# KiCad board Auckland-LED-Train-Map.kicad_pcb (continued)
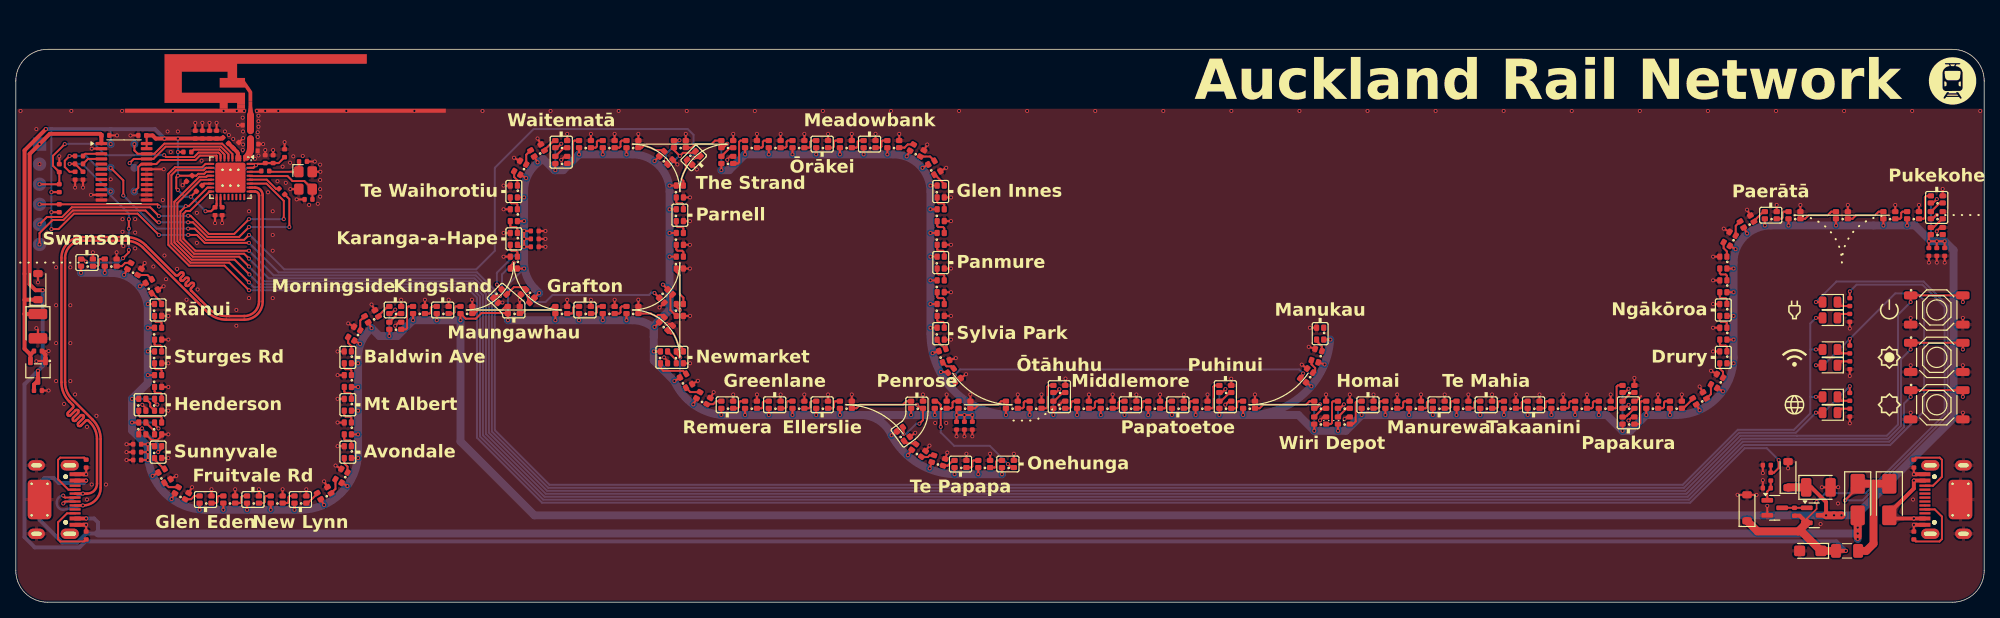
[diagram p0: board, top side]
## Library data of the parts (continued)
C35 = -: Datasheet: https://www.lcsc.com/datasheet/lcsc_datasheet_2304140030_Samsung-Electro-Mechanics-CL05A105KA5NQNC_C52923.pdf; Description: 25V 1uF X5R ±10% 0402 Multilayer Ceramic Capacitors MLCC - SMD/SMT ROHS; LCSC: C52923; Stock: 6607844; Price: 0.006USD; Process: SMT; Minimum Qty: 20; Attrition Qty: 10; Class: Basic Component; Category: Capacitors,Multilayer Ceramic Capacitors MLCC - SMD/SMT; Manufacturer: Samsung Electro-Mechanics; Part: CL05A105KA5NQNC; Voltage Rated: 25V; Tolerance: ±10%; Temperature Coefficient: X5R; ki_fp_filters: C_*
C36 C37 = -: Datasheet: https://www.lcsc.com/datasheet/lcsc_datasheet_2304140030_FH--Guangdong-Fenghua-Advanced-Tech-0402CG1R5C500NT_C1552.pdf; Description: 50V 1.5pF C0G 0402 Multilayer Ceramic Capacitors MLCC - SMD/SMT ROHS; LCSC: C1552; Stock: 87496; Price: 0.004USD; Process: SMT; Minimum Qty: 20; Attrition Qty: 10; Class: Preferred Component; Category: Capacitors,Multilayer Ceramic Capacitors MLCC - SMD/SMT; Manufacturer: FH(Guangdong Fenghua Advanced Tech); Part: 0402CG1R5C500NT; Voltage Rated: 50V; Temperature Coefficient: C0G; ki_fp_filters: C_*
D1 = -: Datasheet: https://wmsc.lcsc.com/wmsc/upload/file/pdf/v2/lcsc/2405091603_hongjiacheng-MMSZ5227B_C22395553.pdf; Description: Independent Type 3.42V~3.78V 500mW 3.6V SOD-123 Zener Diodes ROHS; LCSC: C22395553; Stock: 8463; Price: 0.021USD; Process: SMT; Minimum Qty: 15; Attrition Qty: 4; Class: Preferred Component; Category: Diodes,Zener Diodes; Manufacturer: hongjiacheng; ki_fp_filters: D_*
D2 = -: Datasheet: https://www.lcsc.com/datasheet/lcsc_datasheet_2304140030_Foshan-NationStar-Optoelectronics-NCD0805R1_C84256.pdf; Description: 25mA Colorless transparent lens 67mcd~195mcd -30°C~+85°C 615nm~630nm Individual diode Red 130° 65mW 1.6V~2.6V 0805 LED Indication - Discrete ROHS; LCSC: C84256; Price: 0.016USD; Class: Basic Component; Stock: 3045161; Category: Optoelectronics,Light Emitting Diodes (LED); Manufacturer: Foshan NationStar Optoelectronics; Process: SMT; Minimum Qty: 20; Attrition Qty: 6; Part: NCD0805R1; Operating Temperature: -30°C~+85°C; Viewing Angle: 130°; Forward Current: 25mA; Forward Voltage (VF): 1.6V~2.6V; Luminous Intensity: 67mcd~195mcd; Dominant Wavelength: 615nm~630nm; Power Dissipation: 65mW; Diode Configuration: Independent Diode; Lens Color: Colorless Transparent Lens; ki_fp_filters: D_*
D4 D5 = -: Datasheet: https://wmsc.lcsc.com/wmsc/upload/file/pdf/v2/lcsc/2405210914_hongjiacheng-MM1W5V6_C22435086.pdf; Description: Independent Type 5.32V~5.92V 1W 5.6V SOD-123 Zener Diodes ROHS; LCSC: C22435086; Stock: 7801; Price: 0.037USD; Process: SMT; Minimum Qty: 5; Attrition Qty: 4; Class: Preferred Component; Category: Diodes,Zener Diodes; Manufacturer: hongjiacheng; ki_fp_filters: D_*
D6 D7 = -: Datasheet: https://www.lcsc.com/datasheet/lcsc_datasheet_2407101107_MDD-Microdiode-Semiconductor-SS54_C22452.pdf; Description: 40V Independent Type 550mV@5A 5A SMA(DO-214AC) Schottky Diodes ROHS; LCSC: C22452; Stock: 815396; Price: 0.043USD; Process: SMT; Minimum Qty: 5; Attrition Qty: 4; Class: Basic Component; Category: Diodes,Schottky Barrier Diodes (SBD); Manufacturer: MDD（Microdiode Electronics）; Rectified Current: 5A; Forward Voltage (Vf@If): 550mV@5A; Reverse Voltage (Vr): 40V; Diode Configuration: Independent Type; Reverse Leakage Current (Ir): 1mA@40V; ki_fp_filters: D_*
D8 D9 D12 = -: Datasheet: https://www.lcsc.com/datasheet/lcsc_datasheet_1806151820_Hubei-KENTO-Elec-KT-0805G_C2297.pdf; Description: Emerald 0805 LED Indication - Discrete ROHS; LCSC: C2297; Stock: 769221; Price: 0.014USD; Process: SMT; Minimum Qty: 20; Attrition Qty: 6; Class: Basic Component; Category: Optoelectronics,Light Emitting Diodes (LED); Manufacturer: Hubei KENTO Elec; Part: KT-0805G; Emitted Color: Emerald; ki_fp_filters: D_*
D10 D11 = -: Datasheet: https://www.lcsc.com/datasheet/lcsc_datasheet_2304140030_Foshan-NationStar-Optoelectronics-NCD0805R1_C84256.pdf; Description: 25mA Colorless transparent lens 67mcd~195mcd -30°C~+85°C 615nm~630nm Individual diode Red 130° 65mW 1.6V~2.6V 0805 LED Indication - Discrete ROHS; LCSC: C84256; Stock: 3045161; Price: 0.016USD; Process: SMT; Minimum Qty: 20; Attrition Qty: 6; Class: Basic Component; Category: Optoelectronics,Light Emitting Diodes (LED); Manufacturer: Foshan NationStar Optoelectronics; Part: NCD0805R1; Operating Temperature: -30°C~+85°C; Viewing Angle: 130°; Forward Current: 25mA; Forward Voltage (VF): 1.6V~2.6V; Luminous Intensity: 67mcd~195mcd; Dominant Wavelength: 615nm~630nm; Power Dissipation: 65mW; Diode Configuration: Independent Diode; Lens Color: Colorless Transparent Lens; ki_fp_filters: D_*
D13 = -: Datasheet: https://wmsc.lcsc.com/wmsc/upload/file/pdf/v2/lcsc/2401261524_hongjiacheng-H3V3U10B_C20615782.pdf; Description: 5A 25V 125W 9V Bidirectional 3.3V DFN1006-2L ESD and Surge Protection (TVS/ESD) ROHS; LCSC: C20615782; Stock: 17210; Price: 0.030USD; Process: SMT; Minimum Qty: 20; Attrition Qty: 8; Class: Preferred Component; Category: TVS/Fuse/Board Level Protection,Electrostatic And Surge Protection (TVS/ESD); Manufacturer: hongjiacheng; Capacitance: 0.25pF - 0.3pF; ki_fp_filters: D_*
D100-D208 D300-D344 = -: Datasheet: https://atta.szlcsc.com/upload/public/pdf/source/20230111/5AD58278EBED6B6650A81C53A19BF314.pdf; Description: 1615 RGB LEDs(Built-in IC) ROHS; LCSC: C41413180; Manufacturer: XINGLIGHT
F1 = -: Description: 6V 2A 100A 4A 1206 Resettable Fuses ROHS; Manufacturer: BORN; Part: SMD1206-200/06N; LCSC: C6165195; Process: SMT; ki_fp_filters: *polyfuse* *PTC*
J1 = -: Description: Generic connector, single row, 01x06, script generated; ki_fp_filters: Connector*:*_1x??_*
L1 L3 = -: Datasheet: https://jlcpcb.com/api/file/downloadByFileSystemAccessId/8586175523819573248; Description: 800mA 2.7nH 120mΩ 0402 Inductors (SMD) ROHS; LCSC: C77108; Manufacturer: Murata Electronics; Part: LQG15HS2N7S02D; Process: SMT; ki_fp_filters: L_*
L5 = -: Datasheet: https://www.lcsc.com/datasheet/lcsc_datasheet_2310301641_Sunlord-SDCL1005C15NJTDF_C27143.pdf; Description: 8@100MHz ±5% 0402 Inductors (SMD); LCSC: C27143; Stock: 36806; Price: 0.007USD; Process: SMT; Minimum Qty: 20; Attrition Qty: 10; Class: Preferred Component; Category: Inductors/Coils/Transformers,Inductors (SMD); Manufacturer: Sunlord; Part: SDCL1005C15NJTDF; Inductance: 15nH; Q @ Freq: 8@100MHz; Frequency - Self Resonant: 2.3GHz; Tolerance: ±5%; Rated Current: 300mA; DC Resistance (DCR): 500mΩ; ki_fp_filters: L_*
LOGO1 = -: Description: OSHW Certification Mark, Stacked
Q1 = -: Datasheet: https://wmsc.lcsc.com/wmsc/upload/file/pdf/v2/lcsc/2407121622_hongjiacheng-HL3415A_C28646270.pdf; Description: 20V 5.6A 42mΩ@4.5V,5A 1.3W 620mV@250uA 1 Piece P-Channel SOT-23 MOSFETs ROHS; LCSC: C28646270; Stock: 17391; Price: 0.040USD; Process: SMT; Minimum Qty: 5; Attrition Qty: 4; Class: Preferred Component; Category: Transistors/Thyristors,MOSFETs; Manufacturer: hongjiacheng; ki_fp_filters: Q_*
Q2 = -: Datasheet: https://wmsc.lcsc.com/wmsc/upload/file/pdf/v2/lcsc/2312221203_hongjiacheng-MMBT3904_C7420353.pdf; Description: 40V 200mW 100@10mA,1.0V 200mA NPN SOT-23 Bipolar (BJT) ROHS; LCSC: C7420353; Stock: 874278; Price: 0.012USD; Process: SMT; Minimum Qty: 10; Attrition Qty: 5; Class: Preferred Component; Category: Triode/MOS Tube/Transistor,Bipolar Transistors - BJT; Manufacturer: hongjiacheng; Transition Frequency (fT): 300MHz; Operating Temperature: -55°C~+150°C; Collector Cut-Off Current (Icbo): 0.1uA; Transistor Type: NPN; DC Current Gain (hFE@Ic,Vce): 100@10mA,1.0V; Power Dissipation (Pd): null; Collector Current (Ic): null; Collector-Emitter Saturation Voltage (VCE(sat)@Ic,Ib): 0.3V@50mA,5.0mA; Collector-Emitter Breakdown Voltage (Vceo): null; ki_fp_filters: Q_*
R1-R3 = -: Datasheet: https://www.lcsc.com/datasheet/lcsc_datasheet_2411221126_UNI-ROYAL-Uniroyal-Elec-0402WGF1002TCE_C25744.pdf; Description: 62.5mW Thick Film Resistors 50V ±100ppm/°C ±1% 10kΩ 0402 Chip Resistor - Surface Mount ROHS; LCSC: C25744; Price: 0.004USD; Class: Basic Component; Stock: 14335141; Category: Resistors,Chip Resistor - Surface Mount; Manufacturer: UNI-ROYAL(Uniroyal Elec); Power(Watts): 62.5mW; Type: Thick Film Resistors; Overload Voltage (Max): 50V; Operating Temperature Range: -55°C~+155°C; Tolerance: ±1%; Temperature Coefficient: ±100ppm/°C; Process: SMT; Minimum Qty: 5; Attrition Qty: 0; Part: 0402WGF1002TCE; ki_fp_filters: R_*
R4 R12 = -: Datasheet: https://www.lcsc.com/datasheet/lcsc_datasheet_2411221126_UNI-ROYAL-Uniroyal-Elec-0402WGF1002TCE_C25744.pdf; Description: 62.5mW Thick Film Resistors 50V ±100ppm/°C ±1% 10kΩ 0402 Chip Resistor - Surface Mount ROHS; LCSC: C25744; Price: 0.004USD; Class: Basic Component; Stock: 18633144; Category: Resistors,Chip Resistor - Surface Mount; Manufacturer: UNI-ROYAL(Uniroyal Elec); Power(Watts): 62.5mW; Type: Thick Film Resistors; Overload Voltage (Max): 50V; Operating Temperature Range: -55°C~+155°C; Tolerance: ±1%; Temperature Coefficient: ±100ppm/°C; Process: SMT; Minimum Qty: 5; Attrition Qty: 10; Part: 0402WGF1002TCE; ki_fp_filters: R_*
R7 = -: Datasheet: https://www.lcsc.com/datasheet/lcsc_datasheet_2205311900_UNI-ROYAL-Uniroyal-Elec-0402WGF5100TCE_C25123.pdf; Description: 62.5mW Thick Film Resistors 50V ±100ppm/°C ±1% 510Ω 0402 Chip Resistor - Surface Mount ROHS; LCSC: C25123; Stock: 910291; Price: 0.004USD; Process: SMT; Minimum Qty: 20; Attrition Qty: 10; Class: Basic Component; Category: Resistors,Chip Resistor - Surface Mount; Manufacturer: UNI-ROYAL(Uniroyal Elec); Part: 0402WGF5100TCE; Power(Watts): 62.5mW; Type: Thick Film Resistors; Overload Voltage (Max): 50V; Operating Temperature Range: -55°C~+155°C; Tolerance: ±1%; Temperature Coefficient: ±100ppm/°C; ki_fp_filters: R_*
R8 R21 = -: Datasheet: https://www.lcsc.com/datasheet/lcsc_datasheet_2411221126_UNI-ROYAL-Uniroyal-Elec-0402WGF1002TCE_C25744.pdf; Description: 62.5mW Thick Film Resistors 50V ±100ppm/°C ±1% 10kΩ 0402 Chip Resistor - Surface Mount ROHS; LCSC: C25744; Stock: 18633144; Price: 0.004USD; Process: SMT; Minimum Qty: 5; Attrition Qty: 10; Class: Basic Component; Category: Resistors,Chip Resistor - Surface Mount; Manufacturer: UNI-ROYAL(Uniroyal Elec); Part: 0402WGF1002TCE; Power(Watts): 62.5mW; Type: Thick Film Resistors; Overload Voltage (Max): 50V; Operating Temperature Range: -55°C~+155°C; Tolerance: ±1%; Temperature Coefficient: ±100ppm/°C; ki_fp_filters: R_*
R9 R22 R23 = -: Datasheet: https://www.lcsc.com/datasheet/lcsc_datasheet_2206010100_UNI-ROYAL-Uniroyal-Elec-0402WGF1003TCE_C25741.pdf; Description: 62.5mW Thick Film Resistors 50V ±100ppm/°C ±1% 100kΩ 0402 Chip Resistor - Surface Mount ROHS; LCSC: C25741; Stock: 4111720; Price: 0.004USD; Process: SMT; Minimum Qty: 20; Attrition Qty: 10; Class: Basic Component; Category: Resistors,Chip Resistor - Surface Mount; Manufacturer: UNI-ROYAL(Uniroyal Elec); Part: 0402WGF1003TCE; Power(Watts): 62.5mW; Type: Thick Film Resistors; Overload Voltage (Max): 50V; Operating Temperature Range: -55°C~+155°C; Tolerance: ±1%; Temperature Coefficient: ±100ppm/°C; ki_fp_filters: R_*
R10 R15 = -: Datasheet: https://www.lcsc.com/datasheet/lcsc_datasheet_2205311900_UNI-ROYAL-Uniroyal-Elec-0402WGF1000TCE_C25076.pdf; Description: 62.5mW Thick Film Resistors 50V ±1% ±200ppm/°C 100Ω 0402 Chip Resistor - Surface Mount ROHS; LCSC: C25076; Stock: 3549339; Price: 0.004USD; Process: SMT; Minimum Qty: 20; Attrition Qty: 10; Class: Basic Component; Category: Resistors,Chip Resistor - Surface Mount; Manufacturer: UNI-ROYAL(Uniroyal Elec); Part: 0402WGF1000TCE; Power(Watts): 62.5mW; Type: Thick Film Resistors; Overload Voltage (Max): 50V; Operating Temperature Range: -55°C~+155°C; Tolerance: ±1%; Temperature Coefficient: ±200ppm/°C; ki_fp_filters: R_*
R13 R14 R19 R20 = -: Datasheet: https://www.lcsc.com/datasheet/lcsc_datasheet_2206010045_UNI-ROYAL-Uniroyal-Elec-0402WGF5101TCE_C25905.pdf; Description: 62.5mW Thick Film Resistors 50V ±100ppm/°C ±1% 5.1kΩ 0402 Chip Resistor - Surface Mount ROHS; LCSC: C25905; Price: 0.004USD; Class: Basic Component; Stock: 3549665; Category: Resistors,Chip Resistor - Surface Mount; Manufacturer: UNI-ROYAL(Uniroyal Elec); Power(Watts): 62.5mW; Type: Thick Film Resistors; Overload Voltage (Max): 50V; Operating Temperature Range: -55°C~+155°C; Tolerance: ±1%; Temperature Coefficient: ±100ppm/°C; Process: SMT; Minimum Qty: 20; Attrition Qty: 10; Part: 0402WGF5101TCE; ki_fp_filters: R_*
R16 R24 R25 = -: Datasheet: https://www.lcsc.com/datasheet/lcsc_datasheet_2206010100_UNI-ROYAL-Uniroyal-Elec-0402WGF1003TCE_C25741.pdf; Description: 62.5mW Thick Film Resistors 50V ±100ppm/°C ±1% 100kΩ 0402 Chip Resistor - Surface Mount ROHS; LCSC: C25741; Price: 0.004USD; Class: Basic Component; Stock: 6150463; Category: Resistors,Chip Resistor - Surface Mount; Manufacturer: UNI-ROYAL(Uniroyal Elec); Power(Watts): 62.5mW; Type: Thick Film Resistors; Overload Voltage (Max): 50V; Operating Temperature Range: -55°C~+155°C; Tolerance: ±1%; Temperature Coefficient: ±100ppm/°C; Process: SMT; Minimum Qty: 20; Attrition Qty: 10; Part: 0402WGF1003TCE; ki_fp_filters: R_*
R17 = -: Datasheet: https://www.lcsc.com/datasheet/lcsc_datasheet_2411221126_UNI-ROYAL-Uniroyal-Elec-0402WGF1002TCE_C25744.pdf; Description: 62.5mW Thick Film Resistors 50V ±100ppm/°C ±1% 10kΩ 0402 Chip Resistor - Surface Mount ROHS; LCSC: C25744; Stock: 14335141; Price: 0.004USD; Process: SMT; Minimum Qty: 5; Attrition Qty: 0; Class: Basic Component; Category: Resistors,Chip Resistor - Surface Mount; Manufacturer: UNI-ROYAL(Uniroyal Elec); Part: 0402WGF1002TCE; Power(Watts): 62.5mW; Type: Thick Film Resistors; Overload Voltage (Max): 50V; Operating Temperature Range: -55°C~+155°C; Tolerance: ±1%; Temperature Coefficient: ±100ppm/°C; ki_fp_filters: R_*
R18 = -: Datasheet: https://www.lcsc.com/datasheet/lcsc_datasheet_2205311900_UNI-ROYAL-Uniroyal-Elec-0402WGF5100TCE_C25123.pdf; Description: 62.5mW Thick Film Resistors 50V ±100ppm/°C ±1% 510Ω 0402 Chip Resistor - Surface Mount ROHS; LCSC: C25123; Stock: 1084943; Price: 0.004USD; Process: SMT; Minimum Qty: 20; Attrition Qty: 12; Class: Basic Component; Category: Resistors,Chip Resistor - Surface Mount; Manufacturer: UNI-ROYAL(Uniroyal Elec); Part: 0402WGF5100TCE; Power(Watts): 62.5mW; Type: Thick Film Resistors; Overload Voltage (Max): 50V; Operating Temperature Range: -55°C~+155°C; Tolerance: ±1%; Temperature Coefficient: ±100ppm/°C; ki_fp_filters: R_*
S1-S3 = -: Datasheet: https://www.lcsc.com/datasheet/lcsc_datasheet_2304140030_XKB-Connection-TS-1187A-B-A-B_C318884.pdf; Description: None Without 50mA 5.1mm 100000 Times 160gf 12V 5.1mm 1.5mm Round Button Standing paste SPST SMD Tactile Switches ROHS; LCSC: C318884; Stock: 371396; Price: 0.025USD; Process: SMT; Minimum Qty: 10; Attrition Qty: 5; Class: Basic Component; Category: Switches,Tactile Switches; Manufacturer: XKB Connectivity; Part: TS-1187A-B-A-B; Switch Length: 5.1mm; Voltage Rating (Dc): 12V; With Lamp: No; Operating Force: 160gf; Actuator/Cap Color: Golden; Mechanical Life: 100000 Times; Strike Gundam: NO; Circuit: SPST; Switch Height: 1.5mm; Actuator Style: Round Button; Switch Width: 5.1mm; Contact Current: 50mA; Operating Temperature: -30°C~+85°C; Mounting Style: Brick nogging
TP2 TP3 TP8 TP9 TP13 TP15 = -: Description: test point; ki_fp_filters: Pin* Test*
U1 = -: Datasheet: https://www.lcsc.com/datasheet/lcsc_datasheet_2304140030_Torex-Semicon-XC6206P332MR-G_C5446.pdf; Description: 200mA Fixed 3.3V Positive electrode 6V SOT-23-3L Voltage Regulators - Linear, Low Drop Out (LDO) Regulators ROHS; LCSC: C5446; Stock: 368376; Price: 0.093USD; Process: SMT; Minimum Qty: 5; Attrition Qty: 2; Class: Basic Component; Category: Power Management ICs,Linear Voltage Regulators (LDO); Manufacturer: Torex Semicon; Part: XC6206P332MR-G; Number Of Outputs: 1; Output Voltage: 3.3V; Dropout Voltage: 680mV@(100mA); Output Current: 200mA; Output Type: Fixed; Maximum Input Voltage: 6V; Output Polarity: Positive electrode; Feature: Low ESR;Overcurrent Protection(OCP)
U2 = -: Datasheet: https://www.espressif.com/sites/default/files/documentation/esp32-c3_datasheet_en.pdf; Description: RF Module, ESP32 SoC, RISC-V, WiFi 802.11b/n/g, Bluetooth LE 5, QFN32; LCSC: C2858491; Manufacturer: Espressif Systems; Process: SMT; ki_fp_filters: QFN*1EP*5x5mm*P0.5mm*EP3.7x3.7mm*
U3 = -: Datasheet: https://www.lcsc.com/datasheet/lcsc_datasheet_1809192324_Texas-Instruments-SN74LVC4245APWR_C7859.pdf; Description: 2.7V~3.6V 1 8 4.5V~5.5V TSSOP-24 Translators, Level Shifters ROHS; LCSC: C7859; Stock: 62411; Price: 0.196USD; Process: SMT; Minimum Qty: 1; Attrition Qty: 0; Class: Preferred Component; Category: Logic ICs,Receivers & Transceivers; Manufacturer: Texas Instruments
U4 U5 = -: Datasheet: https://atta.szlcsc.com/upload/public/pdf/source/20220920/0EF8F885FCCEA71F60E9E85152155021.pdf; Description: 3A 1 Horizontal attachment 16P Female -25℃~+85℃ Type-C SMD USB Connectors ROHS; LCSC: C2927039; Manufacturer: DEALON; Part: USB-TYPE-C-019; Process: SMT
X1 = -: Datasheet: https://www.lcsc.com/datasheet/lcsc_datasheet_2403291504_YXC-Crystal-Oscillators-X322540MPB4SI_C9010.pdf; Description: 40MHz Surface Mount Crystal 15pF ±10ppm ±20ppm SMD3225-4P Crystals ROHS; LCSC: C9010; Part: X322540MPB4SI; Manufacturer: YXC Crystal Oscillators; Process: SMT

## Footprints (pads in the part's own frame, mm; a bottom-side part is the same pattern mirrored in y, then rotated)
C_0402
  rrect 0.56x0.62 smd: 1(-0.5,0) 2(0.5,0)
C_CASE-A-3216-18(mm)
  rrect 1.4x1.35 smd: 1(-1.35,0) 2(1.35,0)
C_CASE-B-3528-21(mm)
  rrect 1.32x2.35 smd: 1(-1.54,0) 2(1.54,0)
D_0805
  rrect 0.97x1.4 smd: 1(-0.94,0) 2(0.94,0)
D_DFN1006-2L
  rect 0.5x0.6 smd: 1(-0.4,0) 2(0.4,0)
D_SMA
  rrect 2.5x1.8 smd: 1(-2,0) 2(2,0)
D_SOD-123
  rrect 0.9x1.2 smd: 1(-1.65,0) 2(1.65,0)
Fuse_1206_3216Metric
  rrect 1.25x1.75 smd: 1(-1.4,0) 2(1.4,0)
Inverted_F_Antenna_2.4Ghz_1.0mmPCB_TI_CC2430DB.pretty
  rect 0.46x1.41 smd: 1(10.86,-6.705)
  rect 15.18x0.5 smd: 2(2.59,-7.16)
  rect 1x0.5 smd: 2(9.68,-6.66)
  rect 24.04x0.5 smd: 2(23.56,-7.16)
L_0402
  rrect 0.56x0.62 smd: 1(-0.5,0) 2(0.5,0)
LED-SMD_4P-L1.6-W1.5_XL-1615RGBC-WS2812B
  rrect 0.8x0.65 smd: 1(-0.75,0.45) 2(0.75,0.45) 3(-0.75,-0.45) 4(0.75,-0.45)
OSC-SMD_4P-L3.2-W2.5-BL_SIT8008BI
  rrect 1.4x1.2 smd: 1(-1.1,-0.85) 2(1.1,-0.85) 3(1.1,0.85) 4(-1.1,0.85)
Prog Connector
  rect 1.7x1.7 smd far side: 1(0,0)
  round 1.7 smd far side: 2(0,-2.54) 3(0,-5.08) 4(0,-7.62) 5(0,-10.16) 6(0,-12.7)
Q_SOT-23
  rrect 1.48x0.6 smd: 1(-0.94,0.95) 2(-0.94,-0.95) 3(0.94,0)
QFN-32-1EP_5x5mm_P0.5mm_EP3.7x3.7mm_ThermalVias
  custom 0.687x0.687 smd: (-1.43,1.43) (-1.43,-1.43) (1.43,1.43) (1.43,-1.43)
  custom 0.687x0.807 smd: (-1.43,0.5) (-1.43,-0.5) (1.43,0.5) (1.43,-0.5)
  custom 0.807x0.687 smd: (-0.5,1.43) (-0.5,-1.43) (0.5,1.43) (0.5,-1.43)
  rrect 0.81x0.81 smd: (-0.5,0.5) (-0.5,-0.5) (0.5,0.5) (0.5,-0.5)
  rrect 0.8x0.25 smd: 1(-2.45,1.75) 2(-2.45,1.25) 3(-2.45,0.75) 4(-2.45,0.25) 5(-2.45,-0.25) 6(-2.45,-0.75) 7(-2.45,-1.25) 8(-2.45,-1.75) 17(2.45,-1.75) 18(2.45,-1.25) 19(2.45,-0.75) 20(2.45,-0.25) 21(2.45,0.25) 22(2.45,0.75) 23(2.45,1.25) 24(2.45,1.75)
  rrect 0.25x0.8 smd: 9(-1.75,-2.45) 10(-1.25,-2.45) 11(-0.75,-2.45) 12(-0.25,-2.45) 13(0.25,-2.45) 14(0.75,-2.45) 15(1.25,-2.45) 16(1.75,-2.45) 25(1.75,2.45) 26(1.25,2.45) 27(0.75,2.45) 28(0.25,2.45) 29(-0.25,2.45) 30(-0.75,2.45) 31(-1.25,2.45) 32(-1.75,2.45)
  round 0.5 hole 0.3: 33(-1,1) 33(-1,0) 33(-1,-1) 33(1,1) 33(1,0) 33(1,-1)
  rrect 3.8x3.8 smd: 33(0,0)
R_0402
  rrect 0.56x0.62 smd: 1(-0.5,0) 2(0.5,0)
SOT-23-3_L2.9-W1.6-P1.90-LS2.8-BR
  rrect 1.07x0.6 smd: 1(1.24,-0.95) 2(1.24,0.95) 3(-1.24,0)
SW-SMD_4P-L5.1-W5.1-P3.70-LS6.5-TL-2
  rrect 1.7x1 smd: 1(-3.3,1.85) 2(3.3,1.85) 3(-3.3,-1.85) 4(3.3,-1.85)
TestPoint_Pad_D1.0mm
  round 1 smd: 1(0,0)
TSSOP-24_4.4x7.8mm_P0.65mm
  rrect 1.475x0.4 smd: 1(-2.862,3.575) 2(-2.862,2.925) 3(-2.862,2.275) 4(-2.862,1.625) 5(-2.862,0.975) 6(-2.862,0.325) 7(-2.862,-0.325) 8(-2.862,-0.975) 9(-2.862,-1.625) 10(-2.862,-2.275) 11(-2.862,-2.925) 12(-2.862,-3.575) 13(2.862,-3.575) 14(2.862,-2.925) 15(2.862,-2.275) 16(2.862,-1.625) 17(2.862,-0.975) 18(2.862,-0.325) 19(2.862,0.325) 20(2.862,0.975) 21(2.862,1.625) 22(2.862,2.275) 23(2.862,2.925) 24(2.862,3.575)
TYPE-C-SMD_HX-TYPE-C-16PIN
  round 0.6 hole 0.6 unplated: (-2.89,1.3) (2.89,1.3)
  rect 0.3x1.4 smd: A5(-1.25,2.5) A6(-0.25,2.5) A7(0.25,2.5) A8(1.25,2.5) B5(1.75,2.5) B6(0.75,2.5) B7(-0.75,2.5) B8(-1.75,2.5)
  rect 0.5x1.4 smd: A9B4(2.4,2.5) A12B1(3.2,2.5) B9A4(-2.4,2.5) B12A1(-3.2,2.5)
  oval 1.3x2.3 hole 0.5x1.6: S1(-4.33,1.82) S1(4.33,1.82)
  oval 1.3x2.1 hole 0.5x1.3: S1(-4.33,-2.38) S1(4.33,-2.38)
  round 0.5 hole 0.3: S1(-2,-1) S1(-2,-3) S1(2,-1) S1(2,-3)
  rrect 5x3 smd: S1(0,-2)

## Nets
+3V3: C3.1 C4.1 C5.1 C6.1 C8.1 C9.1 C10.1 C11.1 C12.1 C13.1 C22.1 C25.1 D1.1 D8.2 D10.2 D11.2 L3.1 R1.1 R2.1 R3.1 R4.1 TP13.1 U1.2 U2.11 U2.17 U2.31 U2.32 U3.23 U3.24
+5V: C15.1 C26.1 C27.1 C28.1 C29.1 C30.1 C31.1 C38.1 C39.1 C40.1 C41.1 C42.1 C43.1 D4.1 D100.2 D101.2 D102.2 D103.2 D104.2 D105.2 D106.2 D107.2 D108.2 D109.2 D110.2 D111.2 D112.2 D113.2 D114.2 D115.2 D116.2 D117.2 D118.2 D119.2 D120.2 D121.2 D122.2 D123.2 D124.2 D125.2 D126.2 D127.2 D128.2 D129.2 D130.2 D131.2 D132.2 D133.2 D134.2 D135.2 D136.2 D137.2 D138.2 D139.2 D140.2 D141.2 D142.2 D143.2 D144.2 D145.2 D146.2 D147.2 D148.2 D149.2 D150.2 D151.2 D152.2 D153.2 D154.2 D155.2 D156.2 D157.2 D158.2 D159.2 D160.2 D161.2 D162.2 D163.2 D164.2 D165.2 D166.2 D167.2 D168.2 D169.2 D170.2 D171.2 D172.2 D173.2 D174.2 D175.2 D176.2 D177.2 D178.2 D179.2 D180.2 D181.2 D182.2 D183.2 D184.2 D185.2 D186.2 D187.2 D188.2 D189.2 D190.2 D191.2 D192.2 D193.2 D194.2 D195.2 D196.2 D197.2 D198.2 D199.2 D200.2 D201.2 D202.2 D203.2 D204.2 D205.2 D206.2 D207.2 D208.2 D300.2 D301.2 D302.2 D303.2 D304.2 D305.2 D306.2 D307.2 D308.2 D309.2 D310.2 D311.2 D312.2 D313.2 D314.2 D315.2 D316.2 D317.2 D318.2 D319.2 D320.2 D321.2 D322.2 D323.2 D324.2 D325.2 D326.2 D327.2 D328.2 D329.2 D330.2 D331.2 D332.2 D333.2 D334.2 D335.2 D336.2 D337.2 D338.2 D339.2 D340.2 D341.2 D342.2 D343.2 D344.2 Q1.3
GND: AE1.2 C1.2 C2.2 C3.2 C4.2 C5.2 C6.2 C7.2 C8.2 C9.2 C10.2 C11.2 C12.2 C13.2 C14.2 C15.2 C18.2 C19.1 C20.2 C21.2 C22.2 C25.2 C26.2 C27.2 C28.2 C29.2 C30.2 C31.2 C35.2 C36.2 C37.2 C38.2 C39.2 C40.2 C41.2 C42.2 C43.2 D1.2 D4.2 D5.2 D13.1 D100.3 D101.3 D102.3 D103.3 D104.3 D105.3 D106.3 D107.3 D108.3 D109.3 D110.3 D111.3 D112.3 D113.3 D114.3 D115.3 D116.3 D117.3 D118.3 D119.3 D120.3 D121.3 D122.3 D123.3 D124.3 D125.3 D126.3 D127.3 D128.3 D129.3 D130.3 D131.3 D132.3 D133.3 D134.3 D135.3 D136.3 D137.3 D138.3 D139.3 D140.3 D141.3 D142.3 D143.3 D144.3 D145.3 D146.3 D147.3 D148.3 D149.3 D150.3 D151.3 D152.3 D153.3 D154.3 D155.3 D156.3 D157.3 D158.3 D159.3 D160.3 D161.3 D162.3 D163.3 D164.3 D165.3 D166.3 D167.3 D168.3 D169.3 D170.3 D171.3 D172.3 D173.3 D174.3 D175.3 D176.3 D177.3 D178.3 D179.3 D180.3 D181.3 D182.3 D183.3 D184.3 D185.3 D186.3 D187.3 D188.3 D189.3 D190.3 D191.3 D192.3 D193.3 D194.3 D195.3 D196.3 D197.3 D198.3 D199.3 D200.3 D201.3 D202.3 D203.3 D204.3 D205.3 D206.3 D207.3 D208.3 D300.3 D301.3 D302.3 D303.3 D304.3 D305.3 D306.3 D307.3 D308.3 D309.3 D310.3 D311.3 D312.3 D313.3 D314.3 D315.3 D316.3 D317.3 D318.3 D319.3 D320.3 D321.3 D322.3 D323.3 D324.3 D325.3 D326.3 D327.3 D328.3 D329.3 D330.3 D331.3 D332.3 D333.3 D334.3 D335.3 D336.3 D337.3 D338.3 D339.3 D340.3 D341.3 D342.3 D343.3 D344.3 J1.2 Q2.2 R9.2 R13.2 R14.2 R17.2 R19.2 R20.2 R22.2 R23.2 R24.2 R25.2 S1.3 S1.4 S2.3 S2.4 S3.3 S3.4 U1.1 U2.33 U3.2 U3.11 U3.12 U3.13 U3.14 U3.15 U3.16 U3.17 U3.18 U3.19 U4.A12B1 U4.B12A1 U4.S1 U5.A12B1 U5.B12A1 U5.S1 X1.2 X1.4
VBUS: C1.1 C2.1 C21.1 D5.1 F1.2 J1.1 Q1.2 R12.2 R16.1 U1.3 U3.1
VDD_SPI: C18.1 U2.18
/+BRIGHTNESS_BUTTON: S2.1 S2.2 U2.13
/-BRIGHTNESS_BUTTON: S3.1 S3.2 U2.12
/Antenna: C36.1 D13.2 L1.1 U2.1
/BOOT_IO9_BUTTON: J1.4 R1.2 S1.1 S1.2 U2.15
/CONFIG_LED: D12.2 R21.1 U2.10
/D+: U2.26 U4.A6 U4.B6
/D-: U2.25 U4.A7 U4.B7
/LED_+5V_EN_Active_High: R17.1 R18.1 U2.9
/LVL_Shifter_EN_Active_Low: TP15.1 U2.4 U3.22
/MCU_RX: J1.5 U2.27
/MCU_TX: J1.6 R7.1
/NAL-NIMT_MCU: TP2.1 U2.8 U3.20
/Reset: C14.1 J1.3 R4.2 U2.7
/STRAND-MNK_MCU: TP8.1 U2.5 U3.21
/WIFI_LED: D9.2 R8.1 U2.16
NAL-NIMT-1: D100.4 R10.1 R24.1 TP3.1
NAL-NIMT-2: D135.1 D136.4
NAL-NIMT-3: D165.1 D166.4
NAL-NIMT-4: D192.1 D193.4
Onehunga Branch End: D156.1 D157.4
Onehunga Branch Start: D151.1 D152.4
STRAND-MNK-1: D300.4 R15.1 R25.1 TP9.1
STRAND-MNK-2: D340.1 D341.4
Net-(AE1-A): AE1.1 C37.1 L1.2
Net-(C7-Pad1): C7.1 L3.2 U2.2 U2.3
Net-(C20-Pad1): C20.1 L5.1 X1.1
Net-(D2-Pad1): D2.1 R12.1
Net-(D2-Pad2): D2.2 D6.1 D7.1 F1.1
Net-(D6-Pad2): D6.2 U4.A9B4 U4.B9A4
Net-(D7-Pad2): D7.2 U5.A9B4 U5.B9A4
Net-(D8-Pad1): D8.1 R9.1
Net-(D9-Pad1): D9.1 R22.1
Net-(D10-Pad1): D10.1 R8.2
Net-(D11-Pad1): D11.1 R21.2
Net-(D12-Pad1): D12.1 R23.1
Net-(D100-DOUT): D100.1 D101.4
Net-(D101-DOUT): D101.1 D102.4
Net-(D102-DOUT): D102.1 D103.4
Net-(D103-DOUT): D103.1 D104.4
Net-(D104-DOUT): D104.1 D105.4
Net-(D105-DOUT): D105.1 D106.4
Net-(D106-DOUT): D106.1 D107.4
Net-(D107-DOUT): D107.1 D108.4
Net-(D108-DOUT): D108.1 D109.4
Net-(D109-DOUT): D109.1 D110.4
Net-(D110-DOUT): D110.1 D111.4
Net-(D111-DOUT): D111.1 D112.4
Net-(D112-DOUT): D112.1 D113.4
Net-(D113-DOUT): D113.1 D114.4
Net-(D114-DOUT): D114.1 D115.4
Net-(D115-DOUT): D115.1 D116.4
Net-(D116-DOUT): D116.1 D117.4
Net-(D117-DOUT): D117.1 D118.4
Net-(D118-DOUT): D118.1 D119.4
Net-(D119-DOUT): D119.1 D120.4
Net-(D120-DOUT): D120.1 D121.4
Net-(D121-DOUT): D121.1 D122.4
Net-(D122-DOUT): D122.1 D123.4
Net-(D123-DOUT): D123.1 D124.4
Net-(D124-DOUT): D124.1 D125.4
Net-(D125-DOUT): D125.1 D126.4
Net-(D126-DOUT): D126.1 D127.4
Net-(D127-DOUT): D127.1 D128.4
Net-(D128-DOUT): D128.1 D129.4
Net-(D129-DOUT): D129.1 D130.4
Net-(D130-DOUT): D130.1 D131.4
Net-(D131-DOUT): D131.1 D132.4
Net-(D132-DOUT): D132.1 D133.4
Net-(D133-DOUT): D133.1 D134.4
Net-(D134-DOUT): D134.1 D135.4
Net-(D136-DOUT): D136.1 D137.4
Net-(D137-DOUT): D137.1 D138.4
Net-(D138-DOUT): D138.1 D139.4
Net-(D139-DOUT): D139.1 D140.4
Net-(D140-DOUT): D140.1 D141.4
Net-(D141-DOUT): D141.1 D142.4
Net-(D142-DOUT): D142.1 D143.4
Net-(D143-DOUT): D143.1 D144.4
Net-(D144-DOUT): D144.1 D145.4
Net-(D145-DOUT): D145.1 D146.4
Net-(D146-DOUT): D146.1 D147.4
Net-(D147-DOUT): D147.1 D148.4
Net-(D148-DOUT): D148.1 D149.4
Net-(D149-DOUT): D149.1 D150.4
Net-(D150-DOUT): D150.1 D151.4
Net-(D152-DOUT): D152.1 D153.4
Net-(D153-DOUT): D153.1 D154.4
Net-(D154-DOUT): D154.1 D155.4
Net-(D155-DOUT): D155.1 D156.4
Net-(D157-DOUT): D157.1 D158.4
Net-(D158-DOUT): D158.1 D159.4
Net-(D159-DOUT): D159.1 D160.4
Net-(D160-DOUT): D160.1 D161.4
Net-(D161-DOUT): D161.1 D162.4
Net-(D162-DOUT): D162.1 D163.4
Net-(D163-DOUT): D163.1 D164.4
Net-(D164-DOUT): D164.1 D165.4
Net-(D166-DOUT): D166.1 D167.4
Net-(D167-DOUT): D167.1 D168.4
Net-(D168-DOUT): D168.1 D169.4
Net-(D169-DOUT): D169.1 D170.4
Net-(D170-DOUT): D170.1 D171.4
Net-(D171-DOUT): D171.1 D172.4
Net-(D172-DOUT): D172.1 D173.4
Net-(D173-DOUT): D173.1 D174.4
Net-(D174-DOUT): D174.1 D175.4
Net-(D175-DOUT): D175.1 D176.4
Net-(D176-DOUT): D176.1 D177.4
Net-(D177-DOUT): D177.1 D178.4
Net-(D178-DOUT): D178.1 D179.4
Net-(D179-DOUT): D179.1 D180.4
Net-(D180-DOUT): D180.1 D181.4
